# KiCad board LibrePLC32.kicad_pcb (continued)
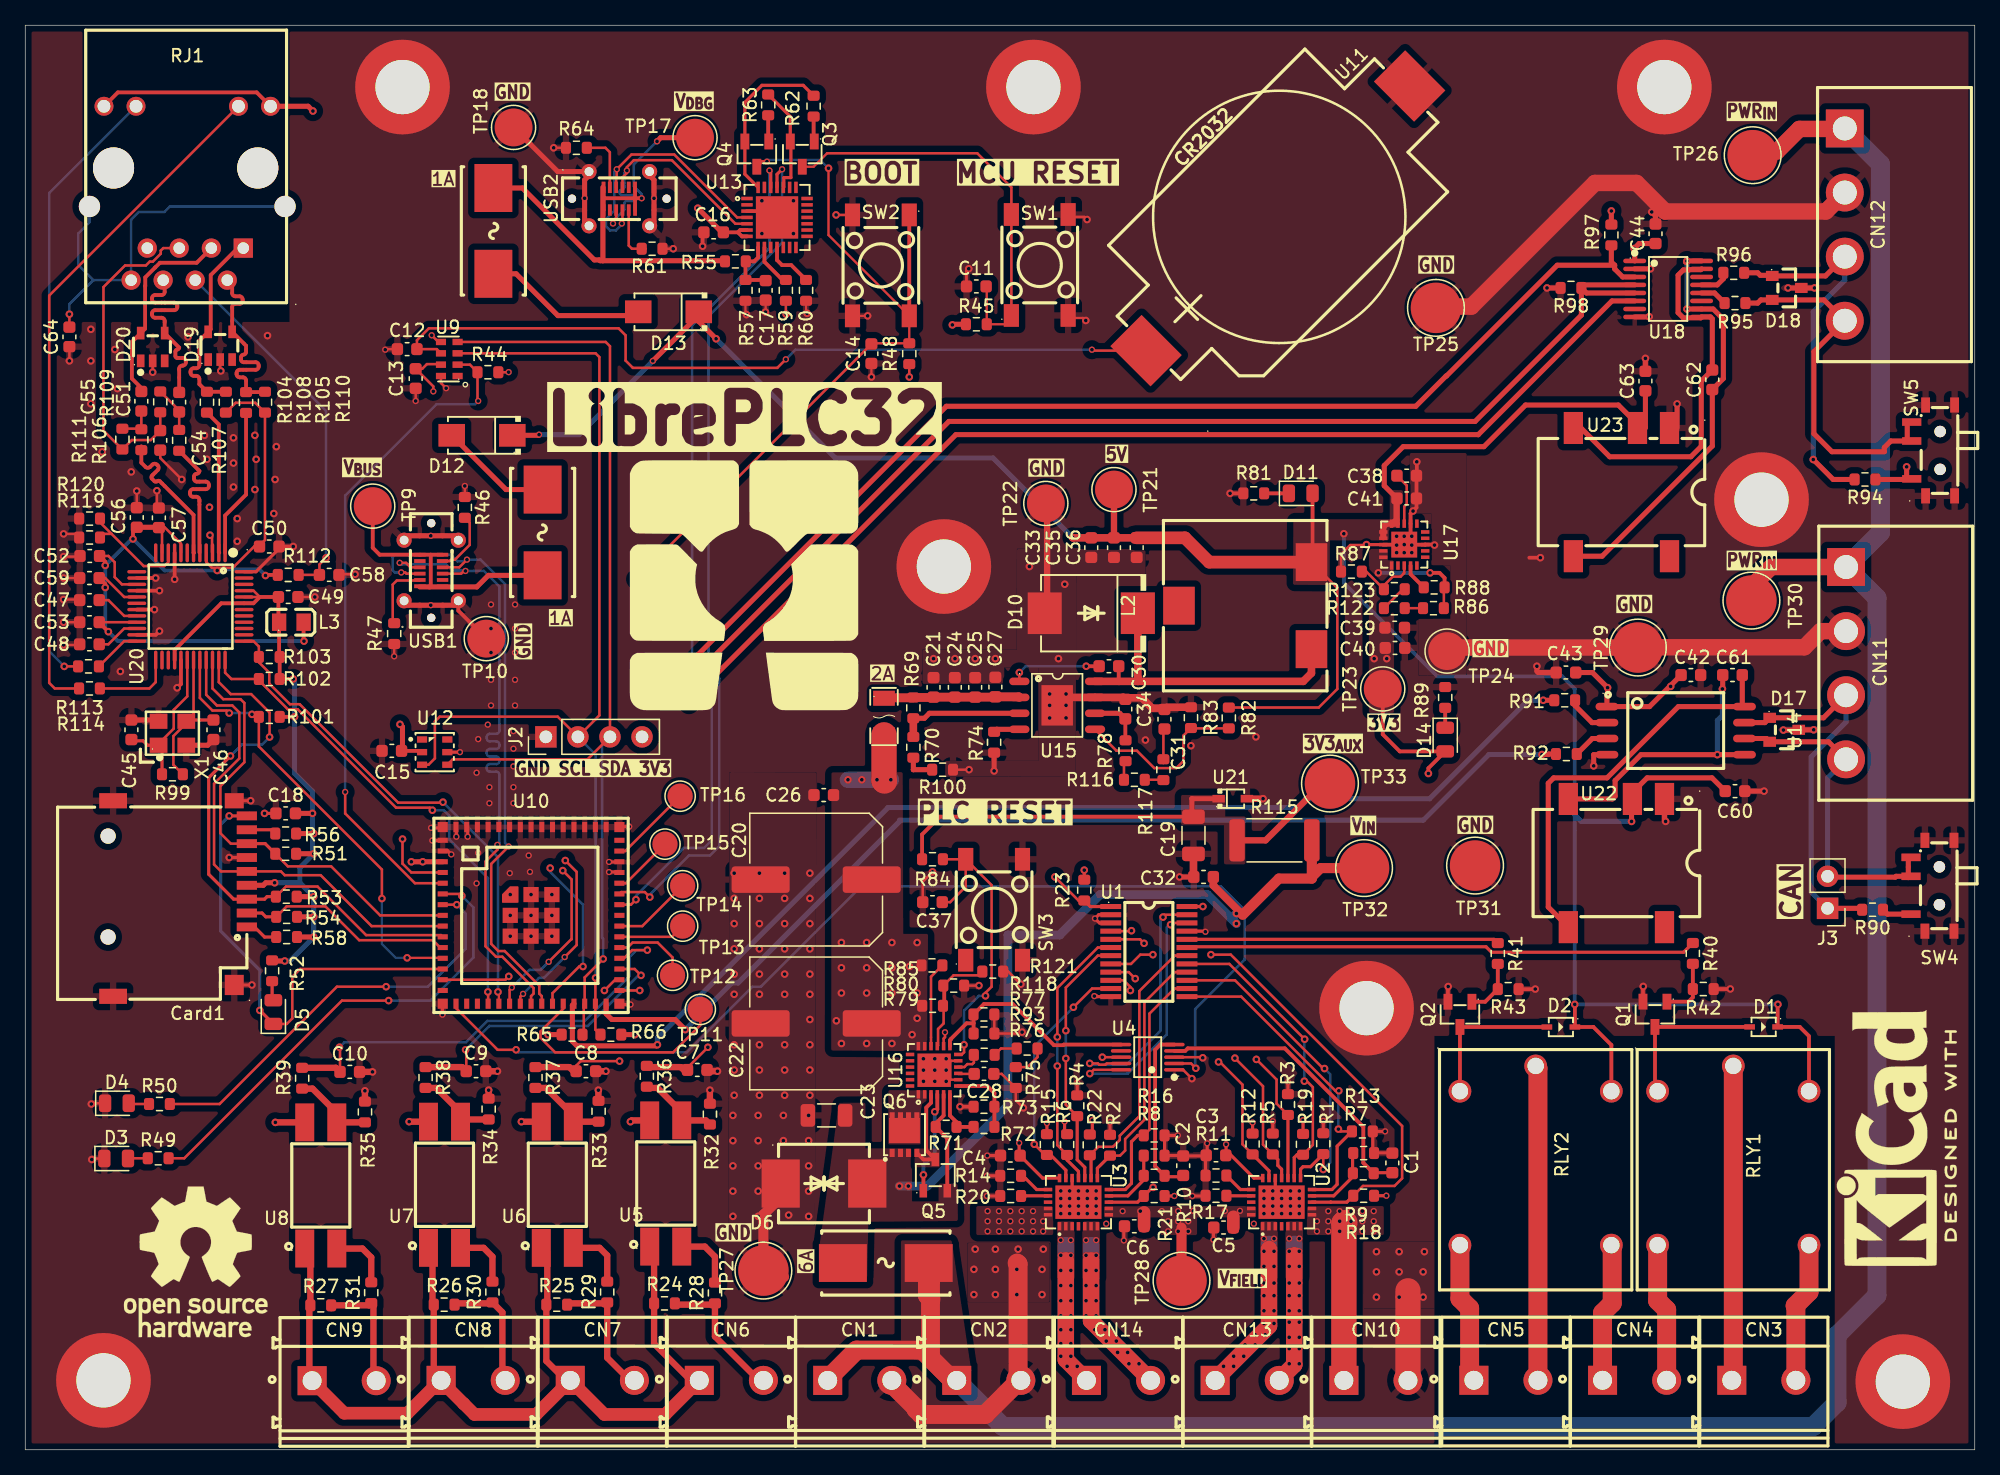
[diagram p0: board, top side]
## Routing (per net, layer and track width the routed paths; a pad name or vN(x,y) marks a point on that pad's centre or on a via; arc(x,y) is an arc through that point) (continued)
/Terminal Blocks Interface/DI4: length 9.8
  Top w0.5: 27.6,5.4 27.6,11.45 R31.1 27.25,11.45 R27.1 24.25,11.22
/Terminal Blocks Interface/DI_COM: length 81.6
  Top w0.5: 53.16,5.4 52.84,5.4 49.84,8.4 R24.2 49.84,15.76 U5.1 ; 41.37,11.6 41.37,15.66 ; 42.94,5.4 41.3,7.04 R25.2 ; 32.28,11.6 32.28,15.66 ; U8.1 22.6,15.5 R27.2 22.52,11.37 22.52,5.4 ; 32.74,5.4 32.38,5.76 R26.2
  Top w1: CN6.1 50.72,2.8 45.9,2.8 43.2,5.5 40.49,2.8 35.6,2.8 34.75,3.65 34.74,3.65 32.9,5.5 30.29,2.9 25.28,2.9 22.71,5.47
/Terminal Blocks Interface/MOS_IN1: length 40.6
  Top w0.25: U1.19 92.13,39.86 115.77,39.86 116.2,39.43 131.43,39.43 R40.1
/Terminal Blocks Interface/MOS_IN2: length 24.8
  Top w0.25: R41.1 116.4,40.45 U1.20
/Terminal Blocks Interface/REL_DRV1: length 13.2
  Top w0.3: D1.2 Q1.3 129.16,28.09 ; 129.2,28.58 RLY1.1
/Terminal Blocks Interface/REL_DRV2: length 12
  Top w0.3: D2.2 Q2.3 RLY2.1
/Terminal Blocks Interface/RLY1_NC: length 11.2
  Top w1.5: CN3.2 140.32,11.36 140.27,11.41 141.37,12.51 RLY1.3
/Terminal Blocks Interface/RLY1_NO: length 11
  Top w1.5: CN4.2 130.08,11.1 129.37,11.81 129.37,16.22 RLY1.2
/Terminal Blocks Interface/RLY2_NC: length 11.1
  Top w1.5: RLY2.3 125.77,16.15 125.77,11.61 125,10.85 CN4.1
/Terminal Blocks Interface/RLY2_NO: length 11.2
  Top w1.5: RLY2.2 113.7,11.98 114.47,11.21 114.47,5.84 CN5.1
/Terminal Blocks Interface/T1_ADC: length 23.2
  Top w0.25: C1.1 106.97,21.96 106.84,21.83
  Top w0.3: R9.2 106.04,22.74 106.04,25.59 99.82,31.81 92.13,31.81 91.93,31.61 U4.4
/Terminal Blocks Interface/T1_DIA: length 26.2
  Top w0.2: U1.13 96.37,35.91 103.83,28.45 v1(104.1,28.45) ; v1(104.07,25.41) 104.25,25.23 R13.1
  Top w0.25: R13.1 103.97,24.06 103.97,21.03 103.56,20.62 U2.12
  Bottom w0.2: v1(104.1,28.45) 104.07,28.41 v1(104.07,25.41)
/Terminal Blocks Interface/T1_EN1: length 26.6
  Top w0.2: R5.1 98.09,24.18 98.09,28.81 v1(95.87,31.04) 95.97,31.04 ; U1.4 87.63,41.1 v1(87.67,41.14)
  Top w0.25: R5.1 99.27,23.01 99.27,22.53 99.57,22.23 U2.16
  In2.Cu w0.2: 87.57,41.04 v1(87.67,41.14) 87.97,41.14 88.07,41.04 88.07,38.84 v1(95.87,31.04)
/Terminal Blocks Interface/T1_EN2: length 26.5
  Top w0.2: v1(97.57,30.94) 99.17,29.34 99.17,27.43 R3.1 ; U1.5 88.35,40.45 v1(88.67,40.14)
  Top w0.25: R3.1 U2.15
  In2.Cu w0.2: v1(88.67,40.14) 88.67,39.94 88.77,39.84 88.77,38.99 89.12,38.64 89.87,38.64 v1(97.57,30.94)
/Terminal Blocks Interface/T1_FLT1: length 41.1
  Top w0.2: v1(93.97,39.24) 95.54,39.24 109.12,25.66 109.12,21.51 108.52,20.91 106.02,20.91 R18.2 ; U1.8 87.63,38.5 88.37,39.24 v1(89.37,39.24)
  Top w0.25: U2.10 103.46,19.62 ; 103.46,19.62 103.47,19.63 ; 103.46,19.62 104.73,19.62 R18.2
  In2.Cu w0.2: v1(89.37,39.24) v1(93.97,39.24)
/Terminal Blocks Interface/T1_FLT2: length 22.4
  Top w0.2: v1(87.97,37.34) 87.45,37.85 U1.9 ; v1(94.57,30.74) 94.67,30.74 96.47,28.94 96.47,24.21 R12.2
  Top w0.25: R12.2 98.57,22.11 U2.18
  In2.Cu w0.2: v1(94.57,30.74) v1(87.97,37.34)
/Terminal Blocks Interface/T1_ILIM1: length 2
  Top w0.25: R17.1 95.2,20.12 U2.21
/Terminal Blocks Interface/T1_ILIM2: length 2.4
  Top w0.25: R11.1 96.3,20.62 U2.20
/Terminal Blocks Interface/T1_LATCH: length 24.1
  Top w0.2: v1(101.39,32.54) 95.43,38.5 U1.17 ; R19.2 102.04,24.16 102.04,28.74 101.57,29.21 v1(101.37,29.21)
  Top w0.25: R19.2 100.79,23.38 100.57,23.16 U2.14
  Bottom w0.2: v1(101.39,32.54) 101.39,32.34 101.37,32.31 v1(101.37,29.21)
/Terminal Blocks Interface/T1_OUT1: length 24.8
  Top w1.3: 94.26,5.51 98.57,9.81 98.57,15.91
  Bottom w1.3: 98.57,16.31 98.57,9.81 94.26,5.51
  vias: v2(94.97,6.61) v2(95.77,7.41) v2(95.77,6.61) v2(96.57,7.41) v2(96.67,8.31) v2(97.47,9.11) v2(97.47,8.31) v2(98.17,16.73) v2(98.17,15.73) v2(98.17,14.53) v2(98.17,13.21) v2(98.17,12.21) v2(98.17,11.01) v2(98.17,10.01) v2(98.27,9.11) v2(98.97,16.73) v2(98.97,15.73) v2(98.97,14.53) v2(98.97,13.21) v2(98.97,12.21) v2(98.97,11.01) v2(98.97,10.01)
/Terminal Blocks Interface/T1_OUT2: length 21.7
  Top w1.3: 100.57,15.41 100.57,6.73 99.34,5.51
  Bottom w1.3: 100.57,16.31 100.57,6.73 99.34,5.51
  vias: v2(100.17,16.73) v2(100.17,15.73) v2(100.17,14.53) v2(100.17,13.21) v2(100.17,12.21) v2(100.17,11.01) v2(100.17,10.11) v2(100.17,8.91) v2(100.17,8.01) v2(100.17,6.81) v2(100.97,16.73) v2(100.97,15.73) v2(100.97,14.53) v2(100.97,13.21) v2(100.97,12.21) v2(100.97,11.01) v2(100.97,10.11) v2(100.97,8.91) v2(100.97,8.01) v2(100.97,6.81)
/Terminal Blocks Interface/T1_SEL: length 26.4
  Top w0.2: v1(102.87,22.21) R1.1 ; U1.15 95.88,37.2 102.87,30.21 v1(102.97,30.21)
  Top w0.25: U2.13 101.07,22.23 101.27,22.43 101.87,22.43 R1.1
  Bottom w0.2: v1(102.87,22.21) 103.42,22.76 103.42,29.76 v1(102.97,30.21)
/Terminal Blocks Interface/T1_SNS: length 5.8
  Top w0.25: 105.17,23.53 105.19,23.51 105.19,21.62 103.69,20.12 U2.11
/Terminal Blocks Interface/T2_ADC: length 13.5
  Top w0.25: 91.77,21.64 90.32,21.64 90.29,21.61
  Top w0.3: R10.2 89.54,22.46 89.54,31.7 89.96,32.11 U4.5
/Terminal Blocks Interface/T2_DIA: length 20.1
  Top w0.2: U1.14 91.08,36.55 89.09,34.56 89.09,25.36 R16.1
  Top w0.25: R16.1 88.17,24.91 87.67,24.41 87.67,21.11 87.18,20.62 U3.12
/Terminal Blocks Interface/T2_EN1: length 21.3
  Top w0.2: v1(81.79,32.71) 81.79,36.59 85,39.8 U1.6 ; R6.1 81.79,24.14 v1(81.79,30.41)
  Top w0.25: R6.1 82.57,22.96 83.47,22.06 U3.16
  Bottom w0.2: v1(81.79,32.71) v1(81.79,30.41)
/Terminal Blocks Interface/T2_EN2: length 20.3
  Top w0.2: R4.1 82.47,27.34 v1(82.47,31.01) ; U1.7 85,39.16 82.47,36.63 v1(82.47,33.21)
  Top w0.25: U3.15 83.97,22.38 83.37,22.98 R4.1
  Bottom w0.2: v1(82.47,31.01) v1(82.47,33.21)
/Terminal Blocks Interface/T2_FLT1: length 22.4
  Top w0.2: v1(87.58,36.4) 87.58,36.67 87.05,37.2 U1.10
  Top w0.25: v1(89.38,20.8) 89.33,20.8 88.15,19.62 U3.10
  In2.Cu w0.2: v1(89.38,20.8) 89.38,34.6 v1(87.58,36.4)
/Terminal Blocks Interface/T2_FLT2: length 19.8
  Top w0.2: U1.11 84.55,36.55 v1(83.07,35.07) ; v1(79.97,24.21) 80.82,23.36 R15.2
  Top w0.25: U3.18 82.47,22.16 81.26,23.36 R15.2
  Bottom w0.2: 79.97,24.11 v1(79.97,24.21) 79.97,31.97 v1(83.07,35.07)
/Terminal Blocks Interface/T2_ILIM1: length 1.8
  Top w0.25: 79.29,20.11 79.3,20.12 U3.21
/Terminal Blocks Interface/T2_ILIM2: length 2.6
  Top w0.25: U3.20 80.16,20.62 79.29,21.49 79.14,21.49 R14.1
/Terminal Blocks Interface/T2_LATCH: length 22.1
  Top w0.2: U1.18 91.1,39.16 88.29,36.35 88.29,26.44 86.74,24.89 86.74,24.55 86.21,24.01 85.04,24.01 R22.2
  Top w0.25: R22.2 84.47,23.24 U3.14
/Terminal Blocks Interface/T2_OUT1: length 21.6
  Top w1.3: 84.1,5.51 82.47,7.14 82.47,15.01
  Bottom w1.3: 84.1,5.51 82.47,7.14 82.47,16.21
  vias: v2(82.07,16.61) v2(82.07,15.41) v2(82.07,14.21) v2(82.07,13.01) v2(82.07,11.81) v2(82.07,10.61) v2(82.07,9.51) v2(82.07,8.41) v2(82.07,7.41) v2(82.57,6.61) v2(82.87,16.61) v2(82.87,15.41) v2(82.87,14.21) v2(82.87,13.01) v2(82.87,11.81) v2(82.87,10.61) v2(82.87,9.51) v2(82.87,8.41) v2(82.87,7.41) v2(83.37,6.61)
/Terminal Blocks Interface/T2_OUT2: length 24.1
  Top w1.3: 84.47,15.01 84.47,10.22 89.18,5.51
  Bottom w1.3: 89.18,5.51 84.47,10.22 84.47,16.21
  vias: v2(84.07,16.61) v2(84.07,15.41) v2(84.07,14.21) v2(84.07,13.01) v2(84.07,11.81) v2(84.07,10.61) v2(84.77,9.51) v2(84.87,16.61) v2(84.87,15.41) v2(84.87,14.21) v2(84.87,13.01) v2(84.87,11.81) v2(84.87,10.61) v2(85.57,9.51) v2(85.67,8.61) v2(86.47,8.61) v2(86.57,7.71) v2(87.37,7.71) v2(87.47,6.81) v2(88.27,6.81)
/Terminal Blocks Interface/T2_SEL: length 20.3
  Top w0.2: U1.16 91.09,37.85 88.69,35.45 88.69,26.15 87.17,24.63 87.17,23.71 86.77,23.31 R2.1
  Top w0.25: U3.13 84.97,22.31 R2.1
/Terminal Blocks Interface/T2_SNS: length 5.1
  Top w0.25: U3.11 87.38,20.12 88.64,21.39 88.64,23.21
/Terminal Blocks Interface/~{GPIO_MUX_INT}: length 57.4
  Top w0.2: U10.14 38.05,37.25 v1(38.32,37.52) ; R23.2 83.47,43.53 v1(81.6,45.4)
  Top w0.25: U1.1 84.4,43.05 R23.2
  In2.Cu w0.2: 81.7,45.5 v1(81.6,45.4) 81,45.4 80.2,44.6 46.5,44.6 40.4,38.5 39.3,38.5 v1(38.32,37.52)
Earth: length 31.6
  Top w0.2: C64.2 v1(3.5,90)
  Bottom w0.2: 5.4,92.7 RJ1.8 8.39,97.49 9,98.1 11.03,98.1 11.47,98.54 RJ1.13 ; 5.4,92.7 3.5,90.8 v1(3.5,90) ; 5.4,92.7 4.2,93.89 4.2,96.4 5.09,97.29 RJ1.14
ISO_CAN+: length 32.7
  Top w0.4: C61.1 136.08,59.07 U14.8 131.01,58.9 125.36,53.25 121.13,53.25 120.7,52.82 120.7,43.01 U22.5
ISO_CAN-: length 22.6
  Top w0.4: v1(134.5,60.3) 134.53,60.32 C61.2 ; U22.4 125.78,51.58 126,51.8 126,53.04 128.05,55.09 v1(134.1,55.09) U14.5
  Bottom w0.4: v1(134.1,55.09) 134.1,57.8 134.5,58.2 v1(134.5,60.3)
ISO_RS485+: length 32.8
  Top w0.4: v1(131.69,90.41) U18.10 133.77,90.41 134.58,89.6 134.58,84.9 C62.1 133.7,79.55 124.97,70.82 123.29,70.82 ; U18.16 131.7,94.22 v1(131.69,94.21) 131.61,94.13 131.57,94.13
  Bottom w0.4: v1(131.69,94.21) v1(131.69,90.41)
ISO_RS485-: length 29.7
  Top w0.4: 123.29,80.56 123.29,80.98 125.57,78.7 132,78.7 132.83,79.52 132.83,84.7 C62.2 133.7,89.63 133.55,89.78 U18.9 132.78,89.71 131.4,89.71 130.99,90.12 130.99,93.09 131.41,93.51 131.86,93.51 131.88,93.53 132.79,93.53 U18.15
PWR_CAN: length 218.3
  Top w1.3: CN11.1 144.3,69.96 138.36,69.96 136.8,68.4 ; CN12.1 144.16,104.68 140.6,104.68 138.82,102.9 135.9,102.9 135.8,102.8
  Top w1.5: 71.78,11.95 71.5,12.23 71.5,13.7 71.74,13.46 71.74,7.26 73.6,5.4 71.1,7.9 65.88,7.9 63.4,5.42
  Bottom w1.5: CN2.1 77.48,1.84 141.69,1.84 143.59,3.74 143.59,9.08 146.75,12.24 146.75,67.51 CN11.1 147.02,72.68 147.02,101.9 CN12.1
V_FIELD: length 25.8
  Top w0.8: TP28.1 91.64,17.6
  Top w1: C5.1 95.74,18.46 ; C6.1 88.67,18.81
  Top w2: CN10.1 104.5,17.92 104.58,18 ; 68.1,53 68.06,53.04 F2.2
  Bottom w1.3: v1(65.2,53.1) v1(68.6,53.1)
  vias: v1(64.28,34) v1(64.68,40.2) v1(64.68,38.2) v1(64.68,36.2) v1(64.68,32.2) v1(66.3,53.1) v1(66.68,40.2) v1(66.68,38.2) v1(66.68,36.2) v1(66.68,32.2) v1(67.5,53.1) v1(68.68,40.2) v1(68.68,38.2) v1(68.68,36.2) v1(68.68,32.2) v1(70.08,38.3) v1(70.28,32.9) v1(70.68,40.2) v1(70.68,36.2) v1(70.68,34.2) v2(76.27,18.91) v2(76.27,18.11) v2(76.27,17.31) v2(77.17,18.91) v2(77.17,18.11) v2(77.17,17.31) v2(78.07,18.91) v2(78.07,18.11) v2(78.07,17.31) v2(78.97,18.91) v2(78.97,18.11) v2(78.97,17.31) v2(79.87,18.91) v2(79.87,18.11) v2(79.87,17.31) v2(80.67,18.11) v2(80.67,17.31) v2(85.67,17.91) v2(86.97,18.91) v2(88.37,18.91) v2(90.07,18.91) v2(90.57,18.11) v2(90.57,17.31) v2(91.37,18.91) v2(91.37,18.11) v2(91.37,17.31) v2(92.17,18.11) v2(92.17,17.31) v2(92.57,18.93) v2(95.07,18.93) v2(96.27,18.93) v2(97.37,17.91) v2(102.37,18.11) v2(102.37,17.31) v2(103.27,18.91) v2(103.27,18.11) v2(103.27,17.31) v2(104.17,18.91) v2(104.17,18.11) v2(104.17,17.31) v2(105.07,18.91) v2(105.07,18.11) v2(105.07,17.31) v2(105.97,18.91) v2(105.97,18.11) v2(105.97,17.31) v2(106.87,18.91) v2(106.87,18.11) v2(106.87,17.31)
VDBG: length 45.3
  Top w0.3: 45.78,94.24 45.78,98.2 USB2.B9 45.83,99.29 ; 45.83,99.29 45.93,99.19 48.23,99.19 ; 45.83,99.29 USB2.A4 ; USB2.A9 48.33,99.09 ; 48.33,99.09 USB2.B4 ; 48.33,99.09 48.23,99.19 ; 55.4,94.24 R55.1 ; v2(48.85,99.19) 48.23,99.19
  Top w0.4: 45.78,94.24 45.56,94.24 45.5,94.3 45.1,94.3 39.4,100 FH3.2 ; 45.78,94.24 45.78,100.05 ; 45.78,94.24 55.4,94.24 ; 50.06,103.69 v2(50.07,103.7) 50.36,103.99 51.88,103.99 52.18,103.69
  Bottom w0.2: v2(50.07,103.7) 48.23,101.86 48.23,100.14 48.85,99.52 v2(48.85,99.19)
Net-(C31-Pad2): length 2.7
  Top w0.2: 90.2,54.42 90.2,57.04 C31.2
Net-(CN3-Pad1): length 25
  Top w1.5: CN3.1 135.37,5.63 RLY1.5
Net-(CN5-Pad2): length 25
  Top w1.5: CN5.2 119.88,30.24 RLY2.5
Net-(D3-A): length 1.6
  Top w0.2: R49.1 8.16,23.1 D3.2
Net-(D4-A): length 1.6
  Top w0.2: D4.2 8.26,27.4 R50.1
Net-(D5-A): length 1.6
  Top w0.25: D5.2 19.56,35.72 R52.1
Net-(D10-K): length 25.9
  Top w0.3: 86.68,60.9 86.66,60.92 C30.2
  Top w0.6: D10.1 88.17,61.21 88.18,61.2 88.18,60.9 ; U15.8 88.18,60.9 ; 88.18,60.9 101.28,60.9 101.93,61.55 L2.1
Net-(D11-K): length 2
  Top w0.3: R81.1 D11.1
Net-(D12-A): length 9.2
  Top w0.4: D12.2 38.1,76.1 40.5,76.1 41,76.6
Net-(D13-A): length 13.7
  Top w0.4: D13.2 48.28,89.89 42.21,89.89 38.9,93.2 36.4,93.2
Net-(D14-K): length 1.6
  Top w0.3: R89.1 D14.1
Net-(Q1-G): length 4.9
  Top w0.3: Q1.1 131.82,35.51 132.16,35.85 R42.2 R40.2
Net-(Q2-G): length 4.5
  Top w0.3: R41.2 R43.2 115.7,35.51 Q2.1
Net-(Q3-B): length 2
  Top w0.3: R62.1 62.48,103.74 Q3.1
Net-(Q4-B): length 2.1
  Top w0.3: R63.1 58.88,103.74 Q4.1
Net-(R28-Pad2): length 5
  Top w0.5: U5.2 53.86,16.1 54.66,15.3 R28.2
Net-(R29-Pad2): length 5
  Top w0.5: R29.2 46.12,15.4 45.52,16 U6.2
Net-(R30-Pad2): length 5
  Top w0.5: 34.3,16 36.33,16 37.03,15.3 R30.2
Net-(R31-Pad2): length 5
  Top w0.5: R31.2 27.42,15.25 26.72,15.95 U8.2
Net-(R32-Pad2): length 5.9
  Top w0.5: R32.2 53.94,26.1 U5.3 ; 49.29,28.68 50.11,28.68 52.03,26.75
Net-(R33-Pad2): length 5.5
  Top w0.5: U6.3 R33.2 ; 40.45,28.68 41.27,28.68 43.19,26.75
Net-(R34-Pad2): length 6.6
  Top w0.5: R38.2 32.57,28.68 34.5,26.75 U7.3 34.67,26.18 R34.2
Net-(R35-Pad2): length 6.5
  Top w0.5: R39.2 22.77,28.62 24.69,26.7 U8.3 R35.2
Net-(R75-Pad1): length 2.7
  Top w0.2: R75.1 79.43,30.32 80.22,31.12 R76.2
Net-(R76-Pad1): length 2
  Top w0.2: R93.2 77.33,31.8 R76.1
Net-(R90-Pad1): length 2.4
  Top w0.4: SW4.1 147.58,42.45 R90.1
Net-(R94-Pad1): length 3.5
  Top w0.4: v1(149.1,77.9) 149.1,77 149.15,76.95 149.1,76.9 R94.1
Net-(R100-Pad1): length 2.4
  Top w0.4: R100.1 70.38,53.9 70.38,53.9 R70.2
Net-(R116-Pad1): length 1.5
  Top w0.2: R116.1 87.08,54.45 R78.2
Net-(R116-Pad2): length 1.5
  Top w0.2: R116.2 90.18,53.1 R117.1
Net-(R122-Pad1): length 1.4
  Top w0.2: R122.1 R86.2
Net-(R122-Pad2): length 2.3
  Top w0.2: R122.2 109.18,68.2 R123.1
Net-(RJ1-LED(G)_K): length 54.5
  Top w0.2: R114.1 2.34,60.34 1.9,60.78 1.9,91.48 RJ1.10
Net-(RJ1-LED(Y)_K): length 48.8
  Top w0.2: R113.1 v1(3.09,62.09)
  Bottom w0.2: RJ1.11 1.9,99.6 1.9,63.28 v1(3.09,62.09)
Net-(U10-IO26): length 18.7
  Top w0.2: U10.26 42.64,34.95 40.84,33.15 40.84,32.65 41.99,31.5 51.35,31.5 53.5,33.65 TP11.1
Net-(U10-IO39): length 6.3
  Top w0.2: TP12.1 51.3,39.01 50.11,40.2 48.13,40.2 47.74,39.8 U10.35
Net-(U10-IO40): length 5.4
  Top w0.2: TP13.1 51.25,40.65 U10.36
Net-(U10-IO41): length 6.3
  Top w0.2: TP14.1 48.9,41.5 U10.37
Net-(U10-IO45): length 4.9
  Top w0.2: U10.41 47.6,44.9 TP15.1
Net-(U10-IO46): length 6.6
  Top w0.2: U10.44 47.55,47.45 TP16.1
Net-(U13-RSTb): length 3.4
  Top w0.3: R59.2 60.02,92.71 58.58,94.15 U13.9
Net-(U13-SUSPENDb): length 4
  Top w0.3: R60.2 60.7,93.89 59.98,93.89 59.58,94.29 U13.11
Net-(U13-VBUS): length 5
  Top w0.3: U13.8 58.08,94.49 57.77,94.19 R55.2 57.08,94.16 R57.2 58.63,92.71 C17.1
Net-(U14-RXD): length 2.9
  Top w0.4: U14.3 124.19,56.37 R92.1
Net-(U14-TXD): length 3.5
  Top w0.4: R91.1 122.83,58.97 124.17,57.63 U14.2
Net-(U15-BOOT): length 7.2
  Top w0.2: v1(78.78,61.6) U15.1
  Top w0.3: C30.1 v1(84.08,62.1)
  Bottom w0.2: v1(84.08,62.1) 79.28,62.1 v1(78.78,61.6)
Net-(U15-COMP): length 4.2
  Top w0.3: C34.2 87.18,56.37 87.26,56.3
  Top w0.4: C34.2 86.74,58.37 U15.6
Net-(U15-EN): length 10
  Top w0.4: U15.3 71.65,58.37 71.26,57.97 R69.2
  Top w0.6: R70.1 R69.2
Net-(U15-RT/CLK): length 2.1
  Top w0.4: U15.4 76.98,57.1 R74.1
Net-(U15-VIN): length 10.7
  Top w0.7: 68.13,59.6 70.36,59.6 R69.1 71.96,59.62 C21.1 C24.1 C25.1 76.86,59.65 C27.1 78.74,59.67 U15.2
Net-(U17-NR/SS): length 4.2
  Top w0.2: U17.13 109.29,74.75 109.48,74.95 109.48,76.42 C38.2
Net-(U18-A): length 2.2
  Top w0.4: U18.12 133.88,91.68 R95.2
Net-(U18-B): length 2.4
  Top w0.4: R96.2 134.58,92.8 134.09,92.32 U18.13
Net-(USB1-CC1): length 5.4
  Top w0.2: USB1.A5 31.23,68.9 29.45,68.9 29.12,68.57 29.12,65.63 R47.1
Net-(USB1-CC2): length 5
  Top w0.2: USB1.B5 33.64,70.44 33.74,70.54 34.05,70.54 35.22,71.71 35.22,73.48 R46.2
Net-(USB2-CC1): length 4.8
  Top w0.2: R64.1 45.98,103.19 46.33,102.84 USB2.A5
Net-(USB2-CC2): length 4.3
  Top w0.2: 49.18,95.19 48.08,95.19 47.83,95.44 USB2.B5

## Copper pours and planes (outline as drawn; the poured copper is in the pictures)
+3V3 on Top: 106.48,71.4 106.48,58.4 108.48,58.4 108.48,70.5 107.98,70.5 107.98,71.4
+3V3 on In2.Cu: 154.5,18.19 -0.01,18.21 0,112.68 154.52,112.66
+3V3_AUX on Top: 91.6,49.5 95,49.5 95,46.4 96.7,46.4 96.7,50.2 95.1,50.2 95.1,51.9 91.6,51.9
+5V on Top: 100.5,73.75 100.47,68.55 103.37,68.53 103.39,72.08 108.13,72.05 108.13,73.05 108.93,73.05 108.93,74.9 109.18,74.9 109.18,76.05 108.13,76.07 108.13,73.75
GND on Top: 109.73,79 109.73,74.2 111.43,74.2 111.43,70.1 112.93,70.1 112.93,65.86 110.38,65.85 110.42,61.36 114.23,61.4 114.23,79
GND on Top: 74.68,11.7 81.18,11.7 81.18,16.4 74.68,16.4
GND on Top: 62.58,17.79 62.69,53.69 55.83,53.71 55.71,17.83
GND on Top: 71.11,60.7 77.58,60.7 77.58,62 80.28,62 80.28,54.6 72.9,54.6 72.91,53.34 83.25,53.39 83.29,69.4 88.78,69.4 88.79,71.38 78.59,71.4 78.57,63.41 71.12,63.43
GND on Top, Bottom: 106.09,11.19 111.68,11.2 111.68,16.51 106.08,16.5
GND on Top, Bottom, In1.Cu: 154.5,0 -0.01,0.02 0,112.9 154.52,112.87
GND on Bottom: 55.71,17 56.94,17 56.93,11.71 81.18,11.7 81.18,16.41 62.58,16.46 62.69,53.68 55.88,53.71
/Power/PPIC_BGATE on Top: 72.48,22.39 72.48,23.87 70.48,23.87 70.48,22.39
/Power/PPIC_IN on Top: 70.98,24.19 70.98,26.89 71.07,27.4 71.48,27.69 71.48,28.49 68.4,28.5 68.38,24.19
/Power/V_IN_MAIN on Top: 66.72,13.52 66.81,18.07 73.91,18.13 73.89,21.09 73.5,21.09 72.38,21.09 72.38,19.69 70.28,19.69 70.28,23.89 66.58,23.89 66.58,27.51 64.49,27.49 62.93,16.05
/Terminal Blocks Interface/T1_OUT1 on Top: 97.87,18.13 97.87,13.53 99.27,13.53 99.27,18.13
/Terminal Blocks Interface/T1_OUT2 on Top: 99.87,18.13 99.87,13.53 101.27,13.53 101.27,18.13
/Terminal Blocks Interface/T2_OUT1 on Top: 81.77,18.11 81.77,13.51 83.17,13.51 83.17,18.11
/Terminal Blocks Interface/T2_OUT2 on Top: 83.77,18.11 83.77,13.51 85.17,13.51 85.17,18.11
PWR_CAN on Top: 69.4,7.4 75,6.1 73.42,16.6 69.4,16.6
V_FIELD on Top: 75.37,17.01 81.47,17.01 81.47,19.31 75.37,19.31
V_FIELD on Top: 85.47,18.41 89.97,18.41 89.97,17.01 92.87,17.01 92.87,18.41 97.57,18.41 97.57,19.31 85.47,19.31
V_FIELD on Top: 107.67,19.31 101.57,19.31 101.57,17.01 107.67,17.01
V_FIELD on Top: 71.48,31.59 71.55,40.89 69.58,40.89 69.54,53.7 63.89,53.69 63.87,31.64
V_FIELD on Bottom: 71.48,31.6 67.9,31.6 67.9,19.29 75.52,19.31 81.47,19.31 81.47,18.32 85.47,18.31 85.47,19.31 97.57,19.31 97.57,18.31 101.56,18.3 101.57,19.31 107.67,19.31 107.67,17.01 75.39,17.02 63.88,17.02 63.88,38.8 71.48,38.8

## Text on the board
F.Silkscreen: V_{BUS} | GND | GND SCL SDA 3V3 | V_{DBG} | 5V | V_{FIELD} | 3V3_{AUX} | V_{IN} | 3V3 | PWR_{IN} | CR2032 | BOOT | PLC RESET | MCU RESET | CAN | LibrePLC32
